# EAGLE board board (EAGLE 7.5.0), part 1 of 2
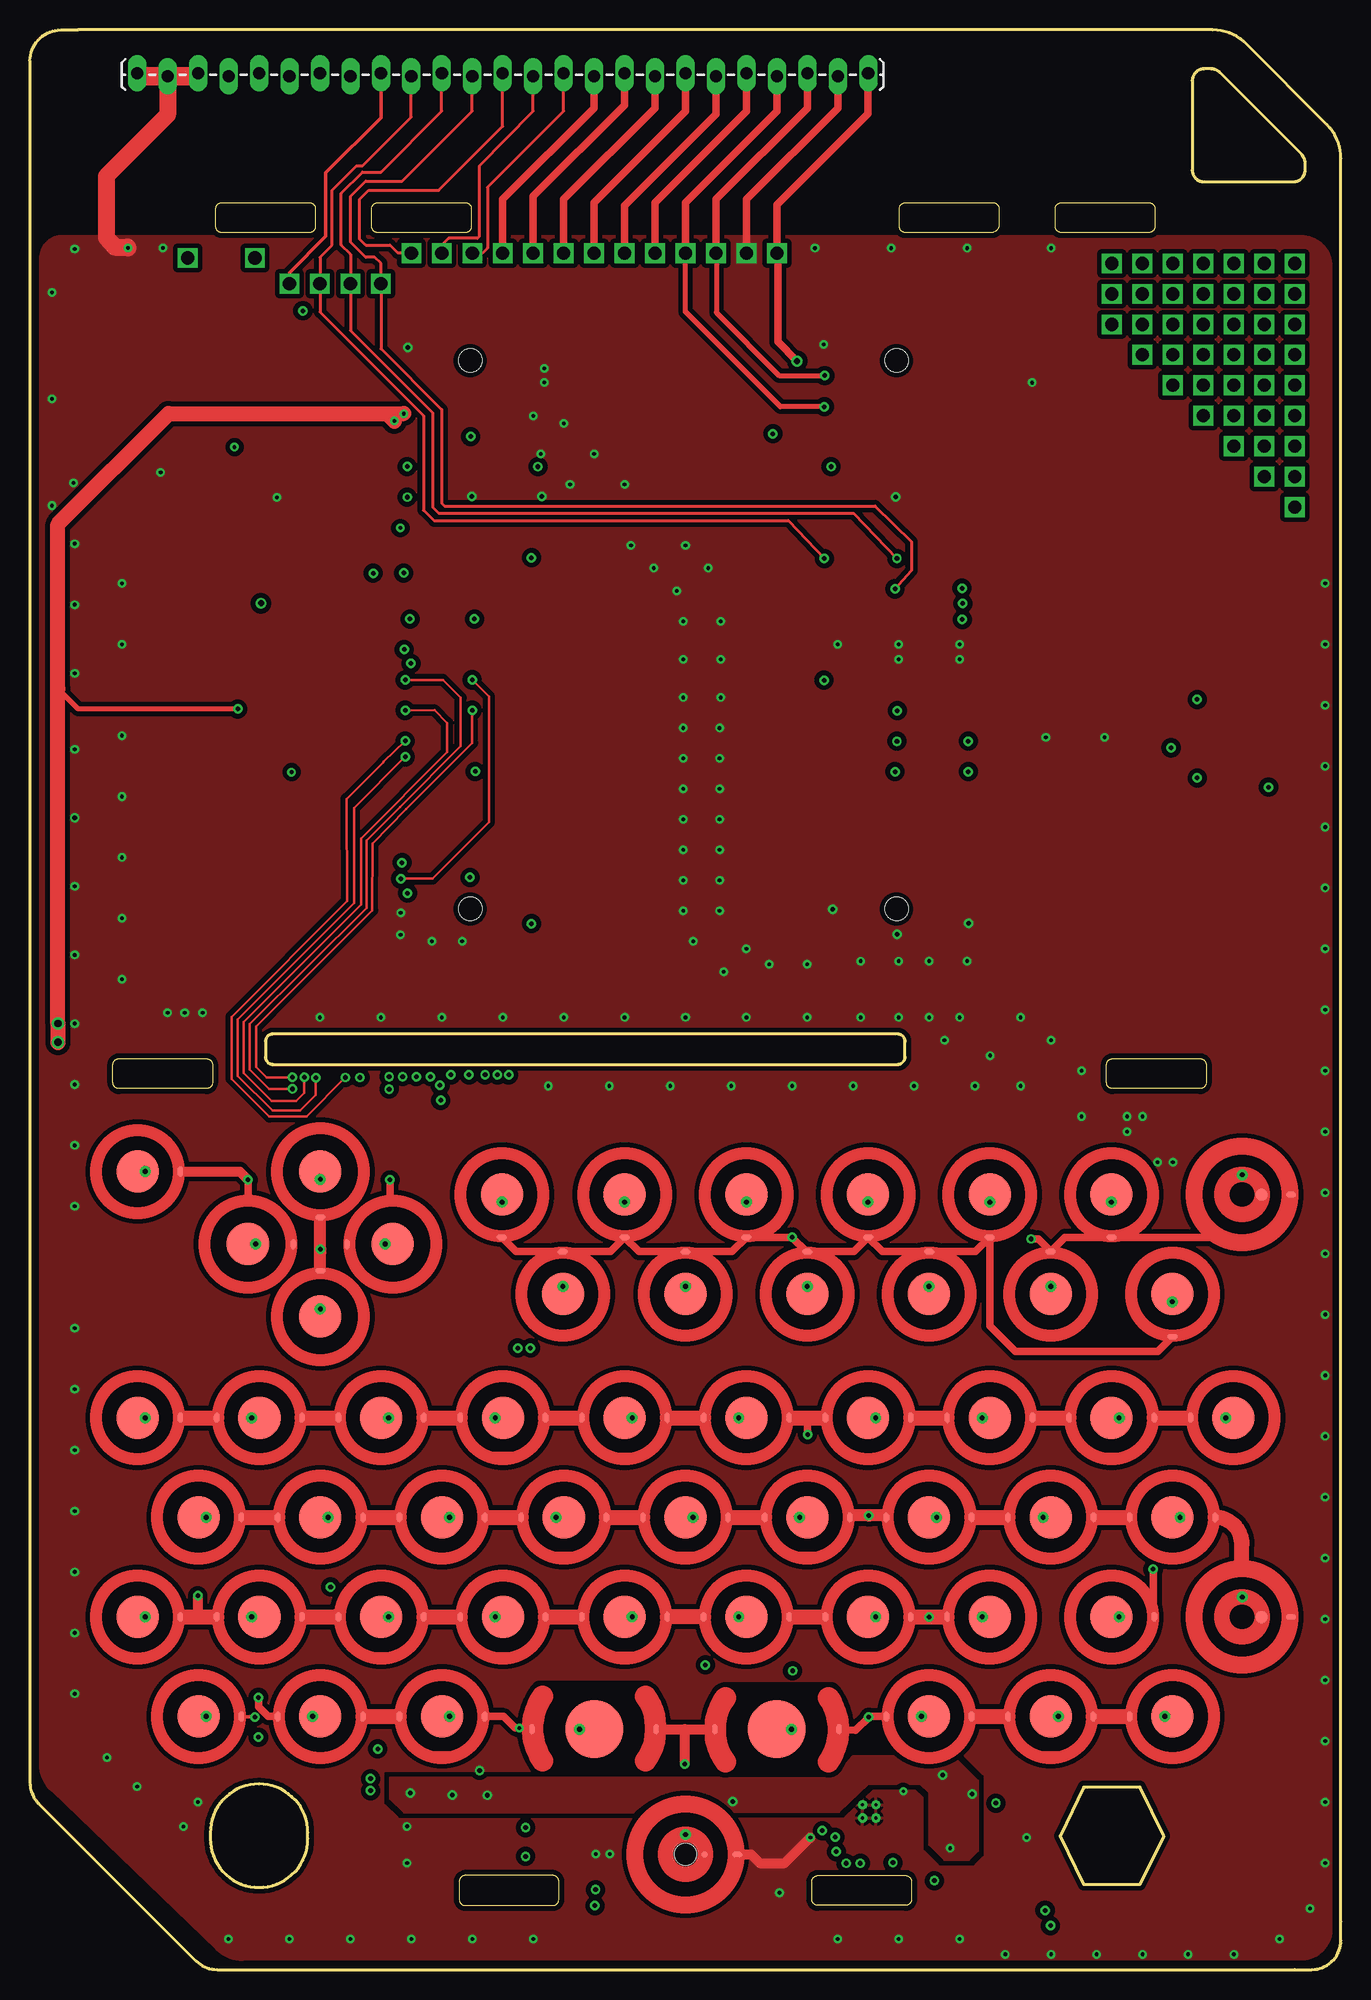
[diagram p0: board, top side]
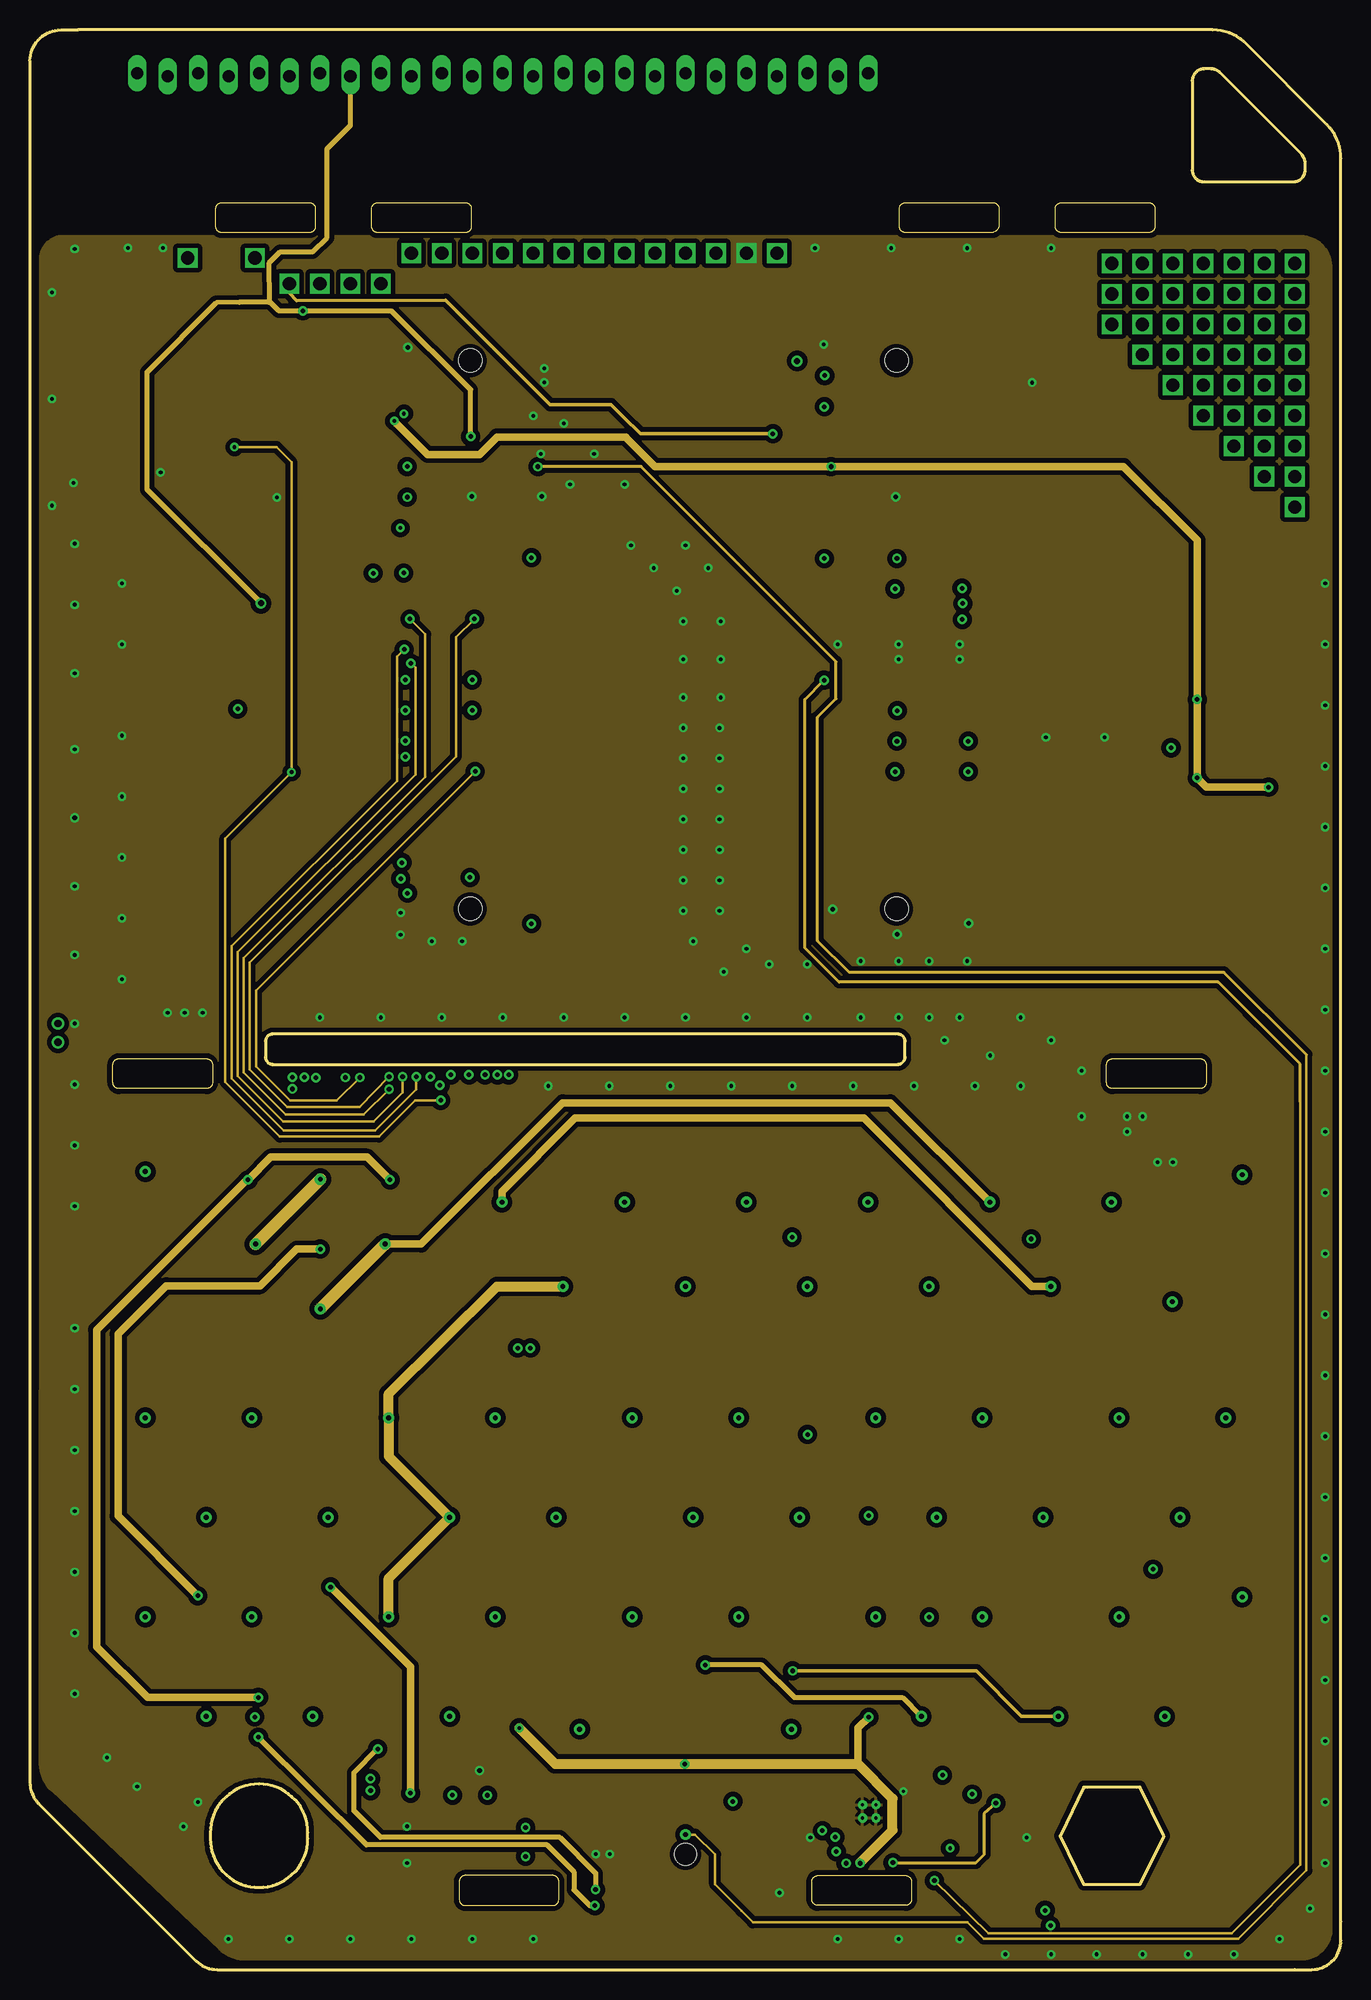
[diagram p1: board, inner layer Route2]
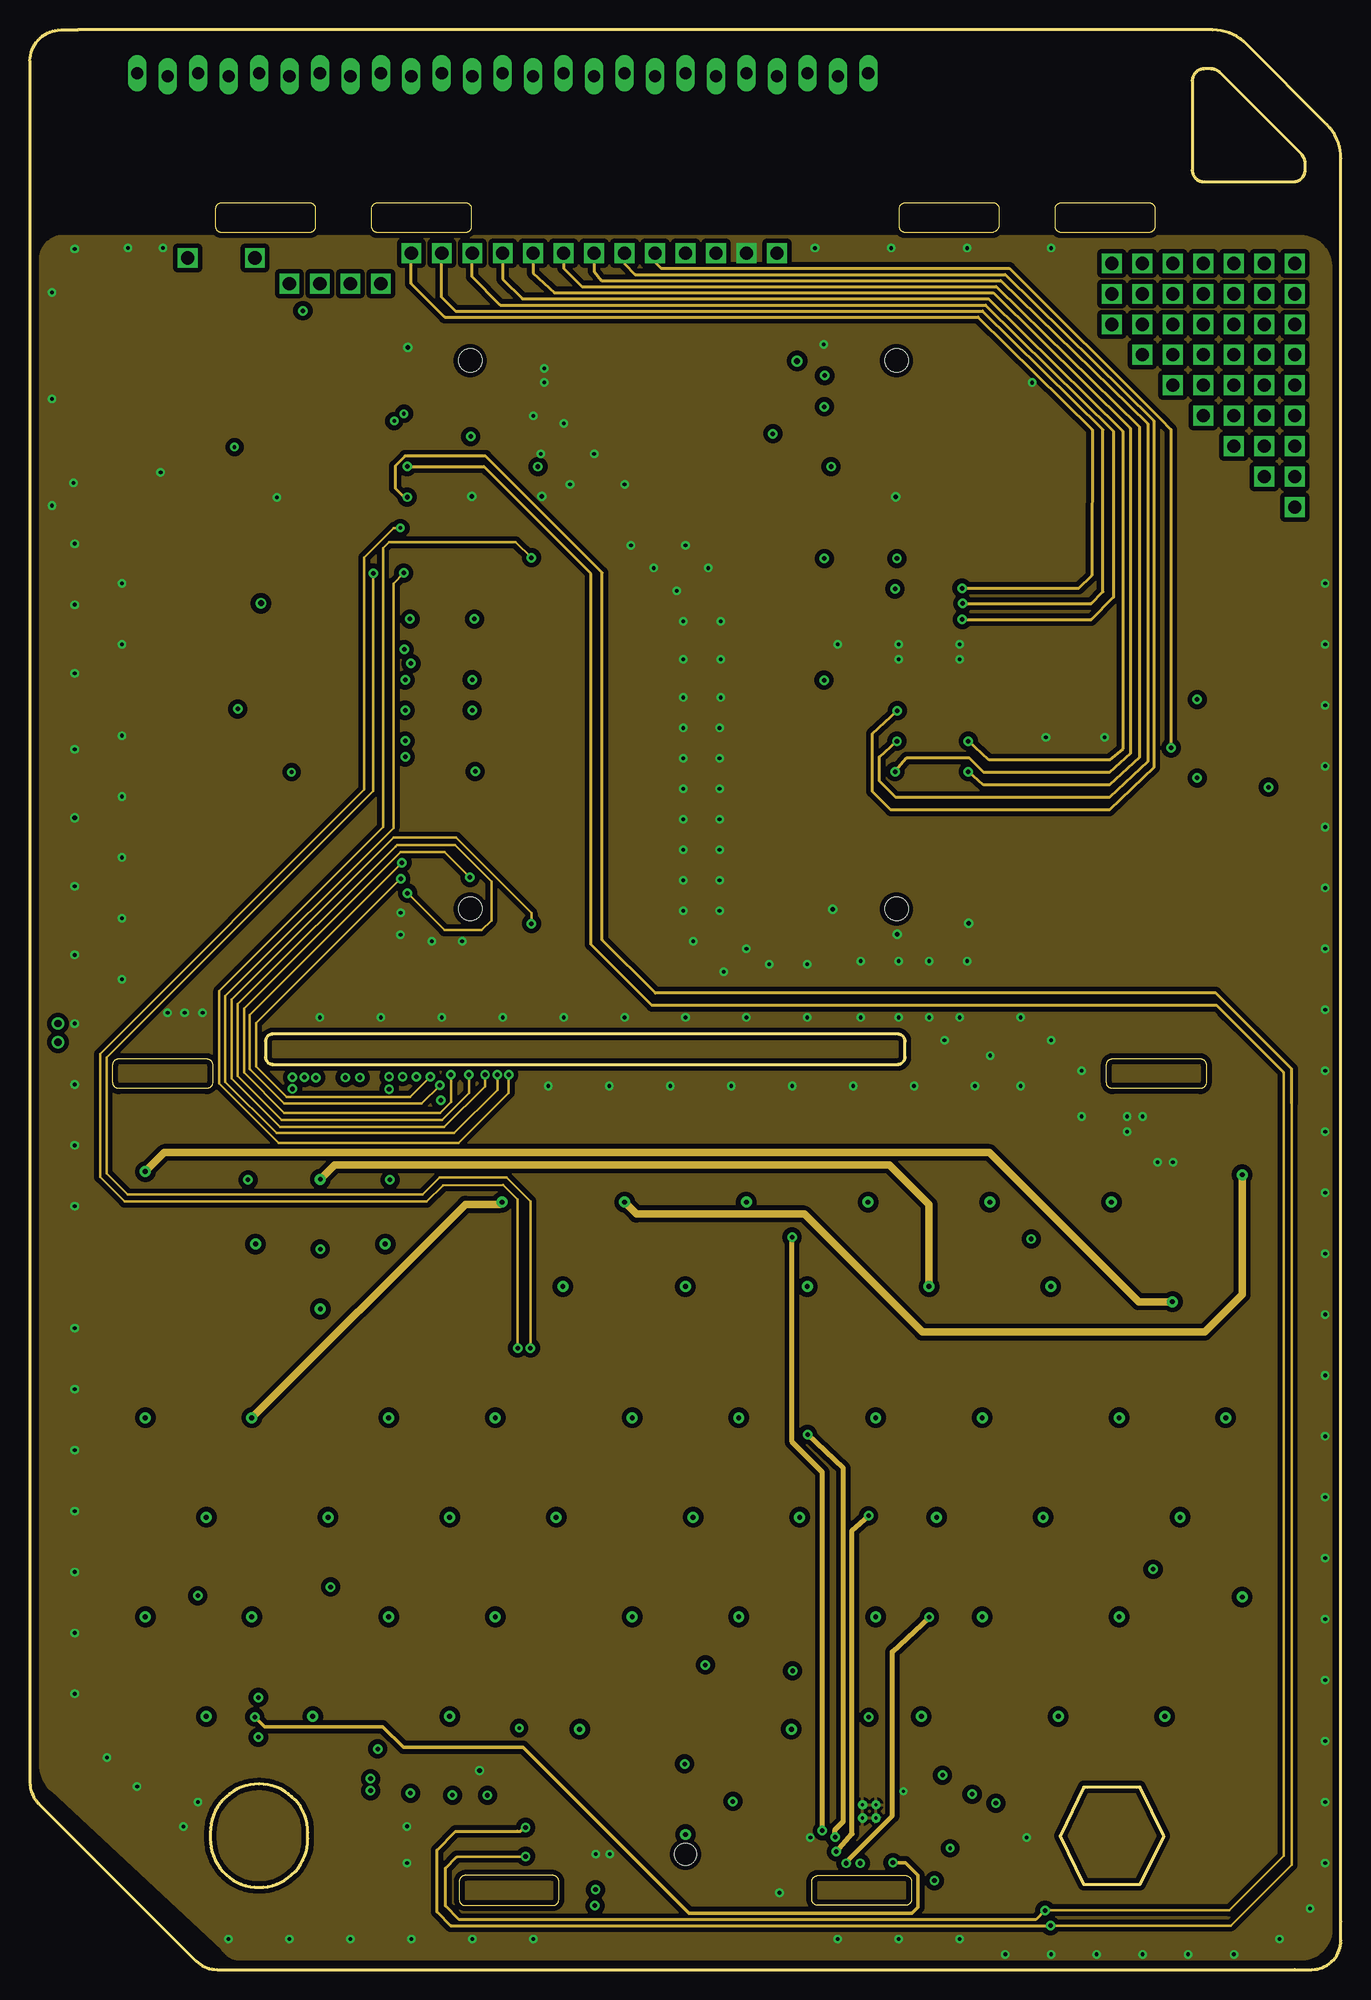
[diagram p2: board, inner layer Route15]
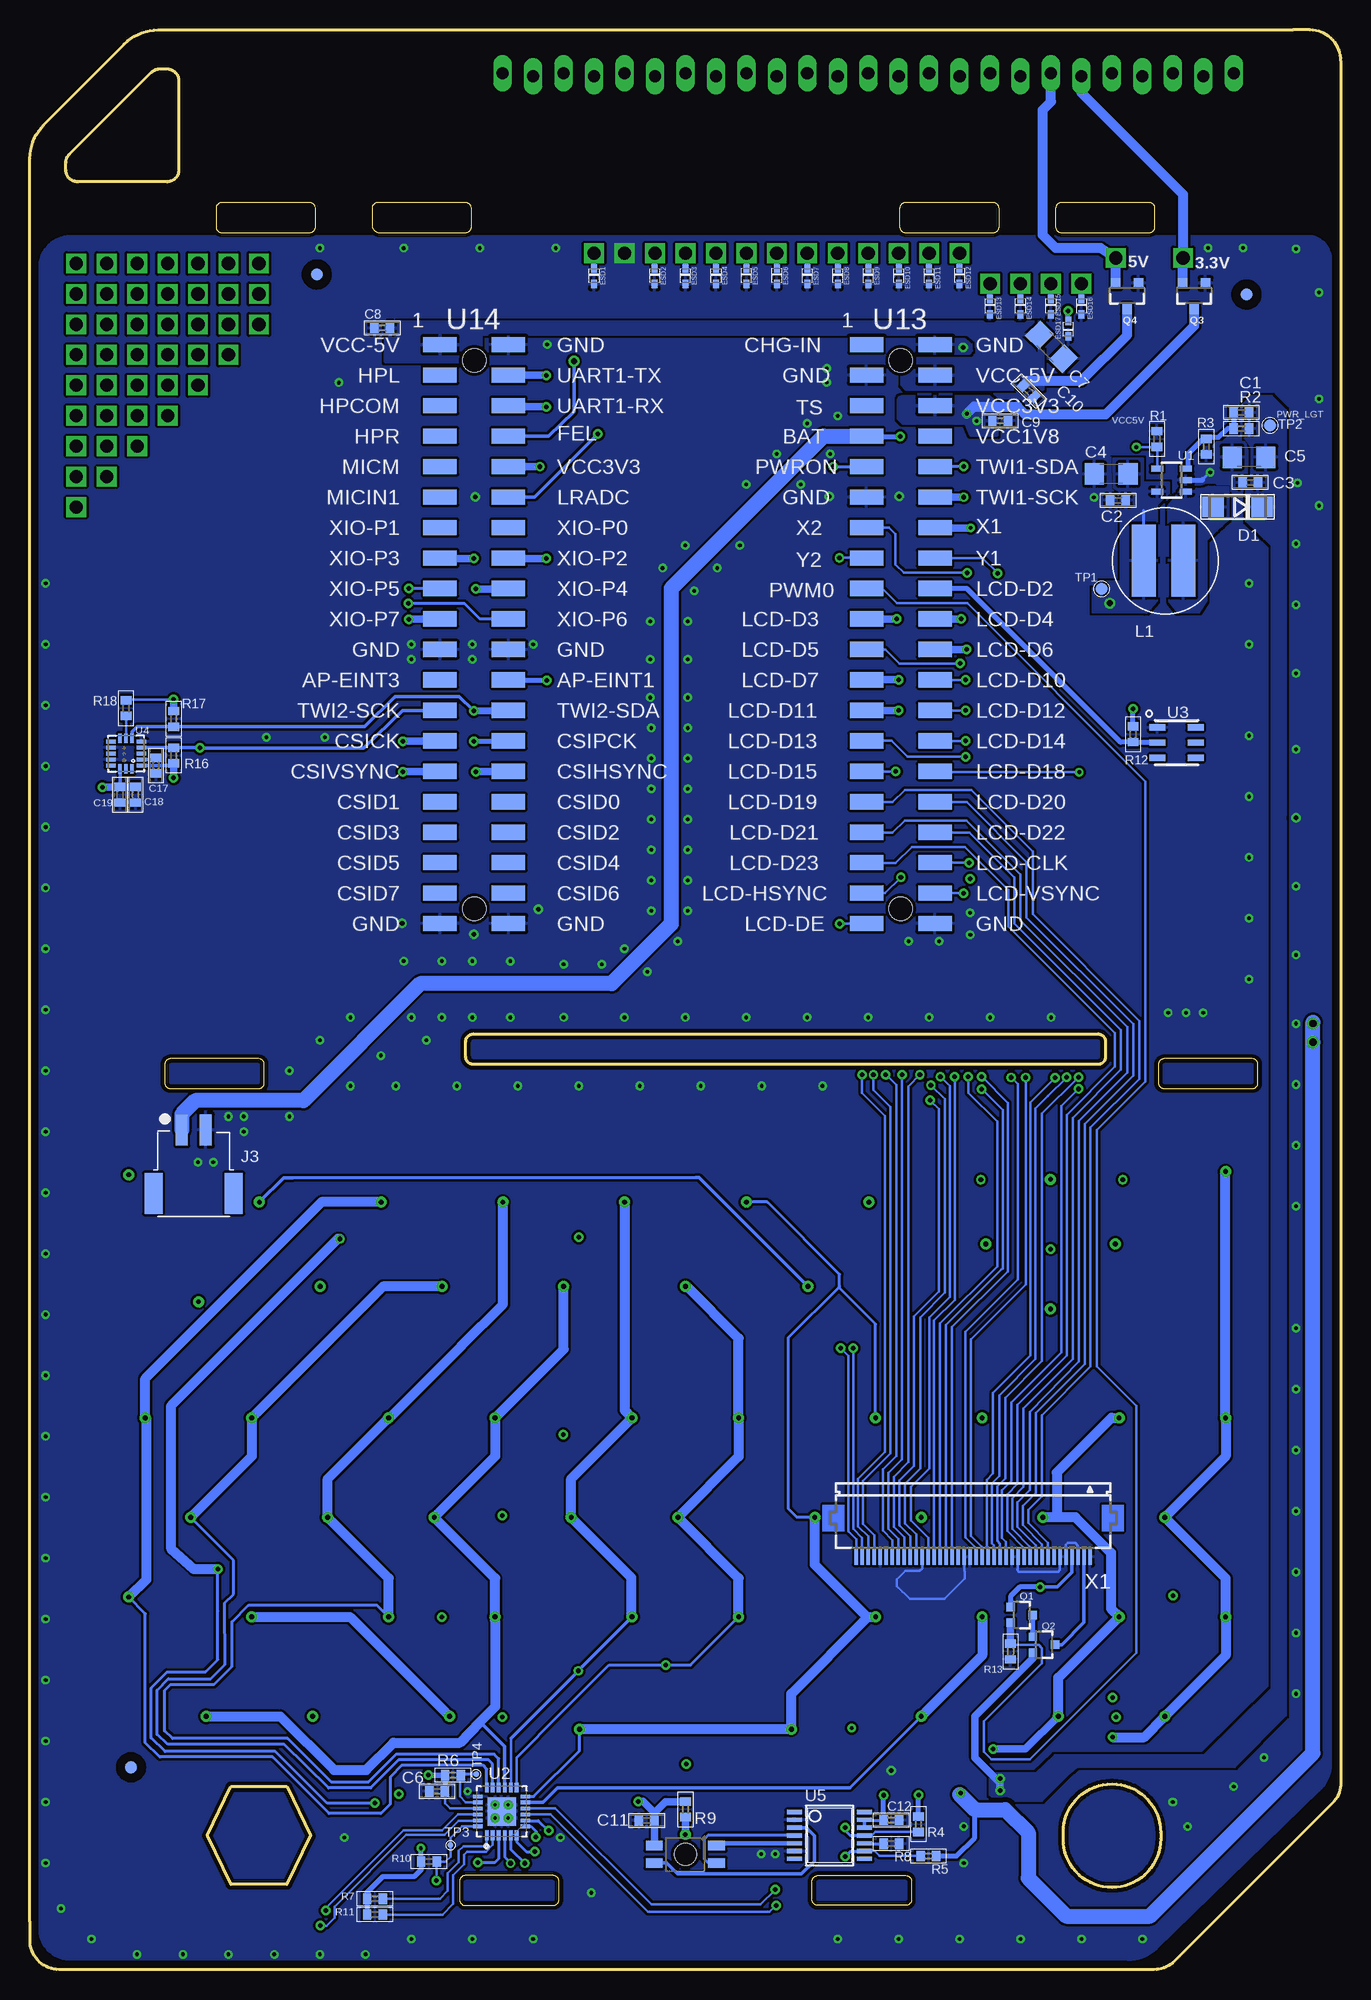
[diagram p3: board, bottom side, seen from below]

Size 109.31 x 161.7 mm. Coordinates in mm from the lower left corner, seen from the top.
Outline: 109.31,4 109.31,150.99 arc45 108.14,153.81 101.45,160.52 arc45 98.62,161.7 4,161.7
Outline: 105.46,0 15.59,0 arc-45 13.88,0.71 0.71,13.88 arc-45 0,15.59 0,159.13 arc-90 2.57,161.7 4.02,161.7
Outline: 105.47,0 106.89,0 arc90 109.31,2.42 109.31,4.02
Outline: 99.2,158.16 arc45 98.49,158.45 97.9,158.45 arc90 96.9,157.45 96.9,150.04 arc90 97.9,149.04 105.32,149.04 arc90 106.32,150.04 106.32,150.62 arc45 106.03,151.33 99.2,158.16
Outline: 23.16,11.41 arc90 19.1,15.48 arc90 15.03,11.41 15.03,10.9 arc90 19.1,6.84 arc90 23.16,10.9 23.16,11.41
Outline: 72.97,77.36 arc90 72.33,78 20.26,78 arc90 19.63,77.36 19.63,76.09 arc90 20.26,75.46 72.33,75.46 arc90 72.97,76.09 72.97,77.36
Outline: 87.87,7.09 92.56,7.09 94.53,11.16 92.56,15.22 87.87,15.22 85.9,11.16 87.87,7.09
Outline: 65.7,7.84 73,7.84 arc-90 73.5,7.34 73.5,5.84 arc-90 73,5.34 65.7,5.34 arc-90 65.2,5.84 65.2,7.34 arc-90 65.7,7.84
Outline: 36.3,5.34 43.6,5.34 arc90 44.1,5.84 44.1,7.34 arc90 43.6,7.84 36.3,7.84 arc90 35.8,7.34 35.8,5.84 arc90 36.3,5.34
Outline: 15.22,75.44 15.22,73.94 arc-90 14.72,73.44 7.42,73.44 arc-90 6.92,73.94 6.92,75.44 arc-90 7.42,75.94 14.72,75.94 arc-90 15.22,75.44
Outline: 90.27,75.94 97.57,75.94 arc-90 98.07,75.44 98.07,73.94 arc-90 97.57,73.44 90.27,73.44 arc-90 89.77,73.94 89.77,75.44 arc-90 90.27,75.94
Outline: 23.8,146.81 23.8,145.31 arc-90 23.3,144.81 16,144.81 arc-90 15.5,145.31 15.5,146.81 arc-90 16,147.31 23.3,147.31 arc-90 23.8,146.81
Outline: 36.8,146.81 36.8,145.31 arc-90 36.3,144.81 29,144.81 arc-90 28.5,145.31 28.5,146.81 arc-90 29,147.31 36.3,147.31 arc-90 36.8,146.81
Outline: 80.8,146.81 80.8,145.45 arc-90 80.16,144.81 73,144.81 arc-90 72.5,145.31 72.5,146.81 arc-90 73,147.31 80.3,147.31 arc-90 80.8,146.81
Outline: 93.8,146.81 93.8,145.31 arc-90 93.3,144.81 86,144.81 arc-90 85.5,145.31 85.5,146.81 arc-90 86,147.31 93.3,147.31 arc-90 93.8,146.81
Copper layers (1*2*15*16): Top 0.035mm / dielectric 0.2mm / Route2 0.035mm / dielectric 0.2mm / Route15 0.035mm / dielectric 0.2mm / Bottom 0.035mm
Design rules "Hampoo *": minimum track width 3mil, minimum drill 8mil, track to track 3mil, track to pad 3mil, pad to pad 3mil, via to via 3mil, smd to smd 3mil, copper to edge 12mil, drill to drill 8mil, minimum pad ring 10mil, minimum via ring 8mil, stop-mask expansion 4mil, vias tented up to drill 24mil, thermal gap 10mil
tRestrict: area 42.5,16.8 to 51.5,23.5; area 58,16.6 to 66.8,23.4

## Footprints (pad centres in the part's own frame; a part is rotated, then mirrored left to right if it is on the bottom)
SNAPDOME_M27220_1PAD = smd 0.406 x 0.813: GND 3.556,0 | smd 3.556 x 3.556: SW@1 0,0 | drill 0.406 pad 0.711: SW@2 0.635,0
SNAPDOME_M27220 = smd 0.406 x 0.813: GND 3.556,0; GND@1 -3.556,0 | smd 3.556 x 3.556: SW 0,0 | drill 0.406 pad 0.711: SW1 0.635,0
SNAPDOME_BL08260 = smd 0.813 x 0.406: GND 4.064,0 | smd 1 x 1: SW 1.6,0 | drill 0.41 pad 0.711: SW1 0,1.651
C0402 = smd 0.7 x 0.9: 1 -0.65,0; 2 0.65,0
C1206 = smd 1.6 x 1.8: 1 -1.4,0; 2 1.4,0
DO-214AC = smd 1.8 x 1.7: A 2.05,0; C -2.05,0
SNAPDOME_E9-TDF-340 = smd 0.406 x 0.813: GND 3.81,0 | smd 3.556 x 3.556: SW 0,0 | drill 0.406 pad 0.711: SW1 0.635,0
SOD523 = smd 0.7 x 0.5: A 0.7,0; C -0.6,0
FIDUCIAL_1MM = smd 1 x 1: 1 0,0
98401-801-40LF = smd 1.27 x 2.79: 1 -24.175,-2.855; 2 -24.175,2.855; 3 -21.635,-2.855; 4 -21.635,2.855; 5 -19.095,-2.855; 6 -19.095,2.855; 7 -16.555,-2.855; 8 -16.555,2.855; 9 -14.015,-2.855; 10 -14.015,2.855; 11 -11.475,-2.855; 12 -11.475,2.855; 13 -8.935,-2.855; 14 -8.935,2.855; 15 -6.395,-2.855; 16 -6.395,2.855; 17 -3.855,-2.855; 18 -3.855,2.855; 19 -1.315,-2.855; 20 -1.315,2.855; 21 1.225,-2.855; 22 1.225,2.855; 23 3.765,-2.855; 24 3.765,2.855; 25 6.305,-2.855; 26 6.305,2.855; 27 8.845,-2.855; 28 8.845,2.855; 29 11.385,-2.855; 30 11.385,2.855; 31 13.925,-2.855; 32 13.925,2.855; 33 16.465,-2.855; 34 16.465,2.855; 35 19.005,-2.855; 36 19.005,2.855; 37 21.545,-2.855; 38 21.545,2.855; 39 24.085,-2.855; 40 24.085,2.855; 41 -24.175,32.705; 42 -24.175,38.415; 43 -21.635,32.705; 44 -21.635,38.415; 45 -19.095,32.705; 46 -19.095,38.415; 47 -16.555,32.705; 48 -16.555,38.415; 49 -14.015,32.705; 50 -14.015,38.415; 51 -11.475,32.705; 52 -11.475,38.415; 53 -8.935,32.705; 54 -8.935,38.415; 55 -6.395,32.705; 56 -6.395,38.415; 57 -3.855,32.705; 58 -3.855,38.415; 59 -1.315,32.705; 60 -1.315,38.415; 61 1.225,32.705; 62 1.225,38.415; 63 3.765,32.705; 64 3.765,38.415; 65 6.305,32.705; 66 6.305,38.415; 67 8.845,32.705; 68 8.845,38.415; 69 11.385,32.705; 70 11.385,38.415; 71 13.925,32.705; 72 13.925,38.415; 73 16.465,32.705; 74 16.465,38.415; 75 19.005,32.705; 76 19.005,38.415; 77 21.545,32.705; 78 21.545,38.415; 79 24.085,32.705; 80 24.085,38.415 | hole 1.95: 22.86,0; -22.86,0; -22.86,35.56; 22.86,35.56
S2B-PH-SM4-TB = smd 2.6 x 1: 1 0,-1; 2 0,1 | smd 3.4 x 1.5: MNT1 5.3,3.35; MNT2 5.3,-3.35
1X20_LOCK_LONGPADS = drill 1.016 long: 1 0,0.127; 2 2.54,-0.127; 3 5.08,0.127; 4 7.62,-0.127; 5 10.16,0.127; 6 12.7,-0.127; 7 15.24,0.127; 8 17.78,-0.127; 9 20.32,0.127; 10 22.86,-0.127; 11 25.4,0.127; 12 27.94,-0.127; 13 30.48,0.127; 14 33.02,-0.127; 15 35.56,0.127; 16 38.1,-0.127; 17 40.64,0.127; 18 43.18,-0.127; 19 45.72,0.127; 20 48.26,-0.127; 21 50.8,0.127; 22 -2.54,-0.127; 23 -5.08,0.127; 24 -7.62,-0.127; 25 -10.16,0.127
SRN6045 = smd 2 x 6: P$1 1.5,0; P$2 -1.8,0
XZMDKCBDDG45S-9 = smd 1.4 x 0.8: BLUE -2.6,-0.725; GREEN 2.6,-0.725; RED 2.6,0.725; VIN -2.6,0.725 | hole 1.8: 0,0
SNAPDOME_100105 = smd 0.813 x 0.406: GND 4.318,0 | smd 0.5 x 0.5: SW 1.6,0 | drill 0.381 pad 0.559: SW1 0,1.651
SOT323 = smd 0.7 x 0.7: 1 -0.65,-0.925; 2 0.65,-0.925; 3 0,0.925
SOT23-3 = smd 0.8 x 0.9: 1 -0.95,-1; 2 0.95,-1; 3 0,1.1
R0402 = smd 0.7 x 0.9: 1 -0.65,0; 2 0.65,0
SNAPDOME_E.22-ONN-230 = smd 0.406 x 0.813: GND 5.18,0; GND@1 -5.18,0 | smd 4.826 x 4.826: SW 0,0 | drill 0.406: SW1 1.206,0
TP_19_5 = smd 1 x 1: 1 0,0
TP_19_5' = smd 0.5 x 0.5: 1 0,0
SOT23-5 = smd 0.5 x 1: 1 -0.95,-1.2; 2 0,-1.2; 3 0.95,-1.2; 4 0.95,1.2; 5 -0.95,1.2
WQFN24 = smd 0.305 x 0.813: 1 1.245,1.981; 2 0.762,1.981; 3 0.254,1.981; 4 -0.254,1.981; 5 -0.762,1.981; 6 -1.245,1.981; 13 -1.245,-1.981; 14 -0.762,-1.981; 15 -0.254,-1.981; 16 0.254,-1.981; 17 0.762,-1.981; 18 1.245,-1.981 | smd 0.813 x 0.305: 7 -1.981,1.245; 8 -1.981,0.762; 9 -1.981,0.254; 10 -1.981,-0.254; 11 -1.981,-0.762; 12 -1.981,-1.245; 19 1.981,-1.245; 20 1.981,-0.762; 21 1.981,-0.254; 22 1.981,0.254; 23 1.981,0.762; 24 1.981,1.245 | smd 2.362 x 2.362: 25 0,0 | drill 0.254 pad 0.406: H1 -0.55,0.55; H2 0.55,0.55; H3 -0.55,-0.55; H4 0.55,-0.55
TSOC6 = smd 0.53 x 1.33: 1 -1.27,-1.6; 2 0,-1.6; 3 1.27,-1.6; 4 1.27,1.6; 5 0,1.6; 6 -1.27,1.6
QFN-16_0.5MM = smd 0.8 x 0.3: 1 -1.275,1; 2 -1.275,0.5; 3 -1.275,0; 4 -1.275,-0.5; 5 -1.275,-1; 9 1.275,-1; 10 1.275,-0.5; 11 1.275,0; 12 1.275,0.5; 13 1.275,1 | smd 0.3 x 0.8: 6 -0.5,-1.275; 7 0,-1.275; 8 0.5,-1.275; 14 0.5,1.275; 15 0,1.275; 16 -0.5,1.275
TSSOP14 = smd 0.36 x 1.26: 1 -1.95,-2.918; 2 -1.3,-2.918; 3 -0.65,-2.918; 4 0,-2.918; 5 0.65,-2.918; 6 1.3,-2.918; 7 1.95,-2.918; 8 1.95,2.918; 9 1.3,2.918; 10 0.65,2.918; 11 0,2.918; 12 -0.65,2.918; 13 -1.3,2.918; 14 -1.95,2.918
FH12-40S-0.5SH = smd 0.3 x 1.3: 1 -9.75,3.25; 2 -9.25,3.25; 3 -8.75,3.25; 4 -8.25,3.25; 5 -7.75,3.25; 6 -7.25,3.25; 7 -6.75,3.25; 8 -6.25,3.25; 9 -5.75,3.25; 10 -5.25,3.25; 11 -4.75,3.25; 12 -4.25,3.25; 13 -3.75,3.25; 14 -3.25,3.25; 15 -2.75,3.25; 16 -2.25,3.25; 17 -1.75,3.25; 18 -1.25,3.25; 19 -0.75,3.25; 20 -0.25,3.25; 21 0.25,3.25; 22 0.75,3.25; 23 1.25,3.25; 24 1.75,3.25; 25 2.25,3.25; 26 2.75,3.25; 27 3.25,3.25; 28 3.75,3.25; 29 4.25,3.25; 30 4.75,3.25; 31 5.25,3.25; 32 5.75,3.25; 33 6.25,3.25; 34 6.75,3.25; 35 7.25,3.25; 36 7.75,3.25; 37 8.25,3.25; 38 8.75,3.25; 39 9.25,3.25; 40 9.75,3.25

## Placement (x,y rotation side)
0  M272201PAD  [SNAPDOME_M27220_1PAD]  80.03,64.61 270 top
1  M272201PAD  [SNAPDOME_M27220_1PAD]  95.26,56.31 270 top
2  M272201PAD  [SNAPDOME_M27220_1PAD]  39.36,64.61 270 top
3  M272201PAD  [SNAPDOME_M27220_1PAD]  44.43,56.31 90 top
4  M272201PAD  [SNAPDOME_M27220_1PAD]  49.58,64.61 270 top
5  M272201PAD  [SNAPDOME_M27220_1PAD]  54.65,56.31 90 top
6  M272201PAD  [SNAPDOME_M27220_1PAD]  59.73,64.61 270 top
7  M272201PAD  [SNAPDOME_M27220_1PAD]  64.81,56.31 90 top
8  M272201PAD  [SNAPDOME_M27220_1PAD]  69.88,64.61 270 top
9  M272201PAD  [SNAPDOME_M27220_1PAD]  74.96,56.31 90 top
'  M272201PAD  [SNAPDOME_M27220_1PAD]  90.18,29.4 0 top
+  M272201PAD  [SNAPDOME_M27220_1PAD]  90.18,64.61 270 top
-  M272201PAD  [SNAPDOME_M27220_1PAD]  85.11,56.31 90 top
?/  M27220  [SNAPDOME_M27220]  85.1,21.1 0 top
A  M272201PAD  [SNAPDOME_M27220_1PAD]  14.06,37.7 0 top
ALT  M27220  [SNAPDOME_M27220]  34.36,21.1 0 top
B  M27220  [SNAPDOME_M27220]  59.73,29.4 180 top
BKSPC  BL08260  [SNAPDOME_BL08260]  101.07,64.61 0 top
C  M27220  [SNAPDOME_M27220]  39.43,29.4 180 top
C1  220pF  [C0402]  8.3,129.81 180 bottom
C2  100nF  [C0402]  18.59,122.5 180 bottom
C3  100nF  [C0402]  7.56,123.97 180 bottom
C4  22uF  [C1206]  19.15,124.68 180 bottom
C5  22uF  [C1206]  7.67,126.08 180 bottom
C6  100nF  [C0402]  75.36,14.86 180 bottom
C7  22uF  [C1206]  24.14,135.29 315 bottom
C8  100nF  [C0402]  79.94,136.85 180 bottom
C9  100nF  [C0402]  28.41,129.12 0 bottom
C10  100nF  [C0402]  26.03,131.58 315 bottom
C11  1uF  [C0402]  57.89,12.42 0 bottom
C12  1uF  [C0402]  37.49,12.45 180 bottom
C17  100nF  [C0402]  98.8,100.38 270 bottom
C18  4.7uF  [C0402]  100.5,97.94 270 bottom
C19  100nF  [C0402]  101.8,97.94 270 bottom
CTRL  M272201PAD  [SNAPDOME_M27220_1PAD]  14.06,21.1 0 top
D  M27220  [SNAPDOME_M27220]  34.36,37.7 0 top
D1  B240A  [DO-214AC]  8.62,121.93 180 bottom
DRILEGEND  [DRILEGEND]  145.89,56.14 0 top  (outside the outline)
DWN  E9-TDF-340  [SNAPDOME_E9-TDF-340]  24.21,54.44 90 top
E  M27220  [SNAPDOME_M27220]  29.28,46 0 top
ENTER  BL08260  [SNAPDOME_BL08260]  101.07,29.4 0 top
ESC  M272201PAD  [SNAPDOME_M27220_1PAD]  8.98,66.52 0 top
ESD1  ESD5Z2.5T1G  [SOD523]  62.28,141.22 270 bottom
ESD2  ESD5Z2.5T1G  [SOD523]  57.23,141.22 270 bottom
ESD3  ESD5Z2.5T1G  [SOD523]  54.66,141.22 270 bottom
ESD4  ESD5Z2.5T1G  [SOD523]  52.11,141.22 270 bottom
ESD5  ESD5Z2.5T1G  [SOD523]  49.57,141.23 270 bottom
ESD6  ESD5Z2.5T1G  [SOD523]  47.04,141.23 270 bottom
ESD7  ESD5Z2.5T1G  [SOD523]  44.5,141.22 270 bottom
ESD8  ESD5Z2.5T1G  [SOD523]  41.96,141.22 270 bottom
ESD9  ESD5Z2.5T1G  [SOD523]  39.42,141.22 270 bottom
ESD10  ESD5Z2.5T1G  [SOD523]  36.87,141.23 270 bottom
ESD11  ESD5Z2.5T1G  [SOD523]  34.35,141.23 270 bottom
ESD12  ESD5Z2.5T1G  [SOD523]  31.8,141.23 270 bottom
ESD13  ESD5Z2.5T1G  [SOD523]  29.25,138.69 270 bottom
ESD14  ESD5Z2.5T1G  [SOD523]  26.72,138.69 270 bottom
ESD15  ESD5Z2.5T1G  [SOD523]  24.19,138.69 270 bottom
ESD16  ESD5Z2.5T1G  [SOD523]  21.64,138.69 270 bottom
ESD17  ESD5Z2.5T1G  [SOD523]  22.74,136.76 90 bottom
F  M27220  [SNAPDOME_M27220]  44.51,37.7 180 top
FD2  FIDUCIAL  [FIDUCIAL_1MM]  85.39,141.32 0 bottom
FD3  FIDUCIAL  [FIDUCIAL_1MM]  100.88,16.86 0 bottom
FD4  FIDUCIAL  [FIDUCIAL_1MM]  7.87,139.64 0 bottom
FN  M27220  [SNAPDOME_M27220]  24.21,21.1 180 top
G  M27220  [SNAPDOME_M27220]  54.65,37.7 0 top
H  M27220  [SNAPDOME_M27220]  64.81,37.7 180 top
I  M27220  [SNAPDOME_M27220]  80.03,46 180 top
J  M27220  [SNAPDOME_M27220]  74.96,37.7 0 top
J1  98401-801-40LF  [98401-801-40LF]  72.26,111.28 270 bottom
J3  S2B-PH-SM4-TB  [S2B-PH-SM4-TB]  95.66,70 270 bottom
JP1  NC  [1X20_LOCK_LONGPADS]  19.1,157.98 0 top
K  M27220  [SNAPDOME_M27220]  85.11,37.7 180 top
L  M27220  [SNAPDOME_M27220]  95.26,37.7 0 top
L1  SRN6045-100M  [SRN6045]  14.65,117.44 0 bottom
LED1  XZMDKCBDDG45S-9  [XZMDKCBDDG45S-9]  54.66,9.6 0 bottom
LEFT  E9-TDF-340  [SNAPDOME_E9-TDF-340]  18.17,60.48 0 top
M  M272201PAD  [SNAPDOME_M27220_1PAD]  80.03,29.4 180 top
N  M27220  [SNAPDOME_M27220]  69.88,29.4 0 top
O  M27220  [SNAPDOME_M27220]  90.18,46 0 top
P  M272201PAD  [SNAPDOME_M27220_1PAD]  100.33,46 180 top
PWR  100105  [SNAPDOME_100105]  54.66,9.6 0 top
Q  M272201PAD  [SNAPDOME_M27220_1PAD]  8.98,46 0 top
Q1  NPN-DTC114YUA  [SOT323]  26.62,29.56 270 bottom
Q2  PNP-DTA114YUA  [SOT323]  24.76,27.08 270 bottom
Q3  MOSFET-PCHANNEL  [SOT23-3]  12.24,139.57 180 bottom
Q4  MOSFET-PCHANNEL  [SOT23-3]  17.83,139.57 180 bottom
R  M27220  [SNAPDOME_M27220]  39.43,46 180 top
R1  100K  [R0402]  15.35,127.6 90 bottom
R2  140K  [R0402]  8.3,128.47 180 bottom
R3  11.5K  [R0402]  11.22,126.97 270 bottom
R4  4.7K  [R0402]  35.23,12.11 90 bottom
R5  4.7K  [R0402]  34.4,9.46 0 bottom
R6  4.7K  [R0402]  74.04,16.2 180 bottom
R7  10K  [R0402]  80.54,5.9 180 bottom
R8  62K  [R0402]  37.49,10.49 180 bottom
R9  100K  [R0402]  54.65,13.35 90 bottom
R10  4.7K  [R0402]  76.04,9 0 bottom
R11  10K  [R0402]  80.54,4.58 180 bottom
R12  4.7K  [R0402]  17.33,102.98 90 bottom
R13  1.2K  [R0402]  27.55,26.51 90 bottom
R16  4.7K  [R0402]  97.33,101.22 270 bottom
R17  4.7K  [R0402]  97.33,104.27 90 bottom
R18  4.7K  [R0402]  101.29,105.16 90 bottom
RIGHT  E9-TDF-340  [SNAPDOME_E9-TDF-340]  30.25,60.48 180 top
S  M27220  [SNAPDOME_M27220]  24.21,37.7 0 top
SHFT  M272201PAD  [SNAPDOME_M27220_1PAD]  95.25,21.1 180 top
SHIFT  M272201PAD  [SNAPDOME_M27220_1PAD]  8.98,29.4 0 top
SPACEL  E.22-ONN-230  [SNAPDOME_E.22-ONN-230]  47.04,20.04 180 top
SPACER  E.22-ONN-230  [SNAPDOME_E.22-ONN-230]  62.28,20.04 0 top
T  M27220  [SNAPDOME_M27220]  49.58,46 0 top
TAB  M27220  [SNAPDOME_M27220]  74.95,21.1 180 top
TP1  N.C  [TP_19_5]  19.96,115.1 0 bottom
TP2  N.C  [TP_19_5]  5.91,128.73 0 bottom
TP3  N.C  [TP_19_5']  74.24,10.36 0 bottom
TP4  N.C  [TP_19_5']  72.11,16.28 0 bottom
U  M27220  [SNAPDOME_M27220]  69.88,46 0 top
U1  LMR62421  [SOT23-5]  14.12,124.17 90 bottom
U2  TCA8418RTWR  [WQFN24]  69.98,13.18 180 bottom
U3  DS2431P  [TSOC6]  13.71,102.29 270 bottom
U4  MMA8452Q  [QFN-16_0.5MM]  101.29,101.37 180 bottom
U5  NCP5623DTBR2G  [TSSOP14]  42.64,11.18 270 bottom
UP  E9-TDF-340  [SNAPDOME_E9-TDF-340]  24.21,66.52 270 top
V  M27220  [SNAPDOME_M27220]  49.58,29.4 0 top
W  M27220  [SNAPDOME_M27220]  19.13,46 180 top
X  M27220  [SNAPDOME_M27220]  29.28,29.4 0 top
X1  FH12-40S-0.5SH  [FH12-40S-0.5SH]  30.67,37.64 180 bottom
Y  M27220  [SNAPDOME_M27220]  59.73,46 180 top
Z  M27220  [SNAPDOME_M27220]  19.13,29.4 180 top

## Library data of the parts
0 1-9 ' + - ?/ A ALT B C CTRL D DWN E ESC ESD1-ESD17 F FN G H I J JP1 K L LED1 LEFT M N O P Q R RIGHT S SHFT SHIFT SPACEL SPACER T TAB U U4 UP V W X Y Z = PocketCHIP-Components-v0.71
BKSPC ENTER PWR U5 = PocketCHIP-Components-v0.7
C1 = Keyboard v0_5; DESCRIPTION: CAP SMD 220pF 50V 5% 0402; FOOTPRINT: C0402; LINK: http://www.digikey.com/product-detail/en/C0402C221J5GACTU/399-7776-1-ND/3471499; MFG: DIGIIKEY; MFG_PN: 399-7776-1-ND; PART_TYPE: C0402; PRICE: 0.01; TOLLERANCE: 5%; VENDOR: KEMET; VENDOR_PART_NUMBER: C0402C221J5GACTU
C2 C3 C6 C8-C10 = Keyboard v0_5; DESCRIPTION: CAP CER SMD 100nF 25V 10% 0402; FOOTPRINT: C0402; LINK: http://www.digikey.co.il/product-detail/en/C1005X5R1E104K050BC/445-4964-1-ND/2093578; MFG: DIGIIKEY; MFG_PN: 445-4964-1-ND; PART_TYPE: C0402; PRICE: 0.01; TOLLERANCE: 10%; VENDOR: TDK; VENDOR_PART_NUMBER: C1005X5R1E104K050BC
C4 C5 C7 = Keyboard v0_5; DESCRIPTION: CAP ceramic smd 20% 35V 1206; FOOTPRINT: C1206; LINK: http://www.digikey.com/product-detail/en/C3216X5R1V226M160AC/445-8045-1-ND/2792165; MFG: DIGIKEY; MFG_PN: 445-8045-1-ND; PART_TYPE: C1206; PRICE: 0.01; TOLLERANCE: 20%; VENDOR: TDK; VENDOR_PART_NUMBER: C3216X5R1V226M160AC
C11 C12 = Keyboard_v0_7; DESCRIPTION: CAP CER SMD 100nF 25V 10% 0402; FOOTPRINT: C0402; LINK: http://www.digikey.co.il/product-detail/en/C1005X5R1E104K050BC/445-4964-1-ND/2093578; MFG: DIGIIKEY; MFG_PN: 445-4964-1-ND; PART_TYPE: C0402; PRICE: 0.01; TOLLERANCE: 10%; VENDOR: TDK; VENDOR_PART_NUMBER: C1005X5R1E104K050BC
C17-C19 = PocketCHIP-Components-v0.71; DESCRIPTION: CAP CER SMD 100nF 25V 10% 0402; FOOTPRINT: C0402; LINK: http://www.digikey.co.il/product-detail/en/C1005X5R1E104K050BC/445-4964-1-ND/2093578; MFG: DIGIIKEY; MFG_PN: 445-4964-1-ND; PART_TYPE: C0402; PRICE: 0.01; TOLLERANCE: 10%; VENDOR: TDK; VENDOR_PART_NUMBER: C1005X5R1E104K050BC
D1 = Keyboard v0_5; DESCRIPTION: DIODE SMD General Purpose 400V 1A 1.4W RoHS DO-214AC; FOOTPRINT: DO-214AC; LINK: http://www.digikey.com/product-detail/en/B240A-13-F/B240A-FDICT-ND/717810; MFG: DIGIKEY; MFG_PN: B240A-FDICT-ND; PART_TYPE: DIODE; PRICE: 0.11; VENDOR: DIODES; VENDOR_PART_NUMBER: B240A-13-F
DRILEGEND = drilegend
FD2-FD4 = Keyboard v0.3; ASSEMBLE: N.C; DESCRIPTION: Fiducial; PART_NUMBER: RB00000042
J1 = PocketCHIP-Components-v0.73
J3 = Keyboard v0_5; DESCRIPTION: 2 pin con, 2MM RA, SMD; FOOTPRINT: S2B-PH-SM4-TB; LINK: http://www.digikey.com/product-detail/en/S2B-PH-SM4-TB(LF)(SN)/455-1749-1-ND/926846; MFG: DIGIKEY; MFG_PN: 455-1749-1-ND; PART_TYPE: CON; PRICE: 0.26; VENDOR: JST; VENDOR_PART_NUMBER: S2B-PH-SM4-TB(LF)(SN)
L1 = Keyboard v0_5; DESCRIPTION: power inductor 10uH 2.5A 58.6 mohm; FOOTPRINT: SRN6045; LINK: http://www.digikey.com/product-detail/en/SRN6045-100M/SRN6045-100MTR-ND/2756120; MFG: DIGIKEY; MFG_PN: SRN6045-100MTR-ND; PART_TYPE: IND; PRICE: 0.15; TOLLERANCE: ±20%; VENDOR: BOURNS; VENDOR_PART_NUMBER: SRN6045-100M
Q1 Q2 = PocketCHIP-Components-v0.72
Q3 Q4 = PocketCHIP-Components-v0.72; PROD_ID: TRANS-08285
R1 R9 = Keyboard v0_5; DESCRIPTION: RES THICK FILM SMD 100K Ohm 1/16W 5% RoHS 0402; FOOTPRINT: R0402; LINK: http://www.digikey.co.il/product-detail/en/ERJ-2GEJ104X/P100KJCT-ND/146730; MFG: DIGIKEY; MFG_PN: P100KJCT-ND; PART_TYPE: R0402; PRICE: 0.01; TOLLERANCE: 5%; VENDOR: PANASONIC; VENDOR_PART_NUMBER: ERJ-2GEJ104X
R2 = Keyboard v0_5; DESCRIPTION: RES SMD 140K 1/16W 1% 0402; FOOTPRINT: R0402; LINK: http://www.digikey.com/product-detail/en/RC0402FR-07140KL/YAG2978CT-ND/5281843; MFG: DIGIKEY; MFG_PN: YAG2978CT-ND; PART_TYPE: R0402; PRICE: 0.01; TOLLERANCE: 1%; VENDOR: YAGEO; VENDOR_PART_NUMBER: RC0402FR-07140KL
R3 = Keyboard v0_5; DESCRIPTION: RES SMD 11.5K 1/16W 1% 0402; FOOTPRINT: R0402; LINK: http://www.digikey.com/product-detail/en/RC0402FR-0711K5L/311-11.5KLRCT-ND/729477; MFG: DIGIKEY; MFG_PN: 311-11.5KLRCT-ND; PART_TYPE: R0402; PRICE: 0.01; TOLLERANCE: 1%; VENDOR: YAGEO; VENDOR_PART_NUMBER: RC0402FR-0711K5L
R4 R5 R7 R11 R12 = Keyboard v0_5; DESCRIPTION: RES SMD 4.7K Ohm 1/16W 5% oHS 0402; FOOTPRINT: R0402; LINK: http://search.digikey.com/us/en/products/ERJ-2GEJ472X/P4.7KJCT-ND/147025; MFG: DIGIKEY; MFG_PN: P4.7KJCT-ND; PART_TYPE: R0402; PRICE: 0.01; TOLLERANCE: 5%; VENDOR: PANASONIC; VENDOR_PART_NUMBER: ERJ-2GEJ472X
R6 R10 = Keyboard v0_5; DESCRIPTION: RES SMD 1K Ohm 1/16W 5% 0402; FOOTPRINT: R0402; LINK: http://search.digikey.com/us/en/products/ERJ-2GEJ102X/P1.0KJCT-ND/146897; MFG: DIGIKEY; MFG_PN: P1.0KJCT-ND; PART_TYPE: R0402; PRICE: 0.01; TOLLERANCE: 5%; VALUE: 1K; VENDOR: PANASONIC; VENDOR_PART_NUMBER: ERJ-2GEJ102X
R8 = Keyboard_v0_7; DESCRIPTION: RES SMD 1K Ohm 1/16W 5% 0402; FOOTPRINT: R0402; LINK: http://search.digikey.com/us/en/products/ERJ-2GEJ102X/P1.0KJCT-ND/146897; MFG: DIGIKEY; MFG_PN: P1.0KJCT-ND; PART_TYPE: R0402; PRICE: 0.01; TOLLERANCE: 5%; VENDOR: PANASONIC; VENDOR_PART_NUMBER: ERJ-2GEJ102X
R13 = PocketCHIP-Components-v0.72; DESCRIPTION: RES SMD 1K Ohm 1/16W 5% 0402; FOOTPRINT: R0402; LINK: http://search.digikey.com/us/en/products/ERJ-2GEJ102X/P1.0KJCT-ND/146897; MFG: DIGIKEY; MFG_PN: P1.0KJCT-ND; PART_TYPE: R0402; PRICE: 0.01; TOLLERANCE: 5%; VENDOR: PANASONIC; VENDOR_PART_NUMBER: ERJ-2GEJ102X
R16-R18 = PocketCHIP-Components-v0.71; DESCRIPTION: RES SMD 4.7K Ohm 1/16W 5% oHS 0402; FOOTPRINT: R0402; LINK: http://search.digikey.com/us/en/products/ERJ-2GEJ472X/P4.7KJCT-ND/147025; MFG: DIGIKEY; MFG_PN: P4.7KJCT-ND; PART_TYPE: R0402; PRICE: 0.01; TOLLERANCE: 5%; VENDOR: PANASONIC; VENDOR_PART_NUMBER: ERJ-2GEJ472X
TP1 TP2 = PocketCHIP-Components-v0.71; ASSEMBLE: N.C; DESCRIPTION: test point smd 0.5mm; FOOTPRINT: TP_19_5; PART_NUMBER: RB00000140; PART_TYPE: TEST POINT; PRICE: 0
TP3 TP4 = Keyboard v0.3; ASSEMBLE: N.C; DESCRIPTION: test point smd 0.5mm; FOOTPRINT: TP_19_5; PART_NUMBER: RB00000140; PART_TYPE: TEST POINT; PRICE: 0
U1 = PocketCHIP-Components-v0.7; DESCRIPTION: dc/dc step up, 2.1A, 1.6mhz, SOT-23-5; FOOTPRINT: SOT23-5; LINK: http://www.digikey.com/product-detail/en/LMR62421XMFE%2FNOPB/LMR62421XMFE%2FNOPBCT-ND/2777085; MFG: DIGIKEY; MFG_PN: LMR62421XMFE/NOPBCT-ND; PART_TYPE: IC; PRICE: 0.8; VENDOR: TEXAS INSTRUMENTS; VENDOR_PART_NUMBER: LMR62421XMFE/NOPB
U2 = Keyboard v0.3; DESCRIPTION: Keypad/IO I2C expander, 8 rows 10 columns; FOOTPRINT: WQFN24; LINK: http://www.digikey.com/product-detail/en/TCA8418RTWR/296-25223-1-ND/2172845; MFG: DIGIKEY; MFG_PN: 296-25223-1-ND; PART_TYPE: IC; PRICE: 1.4; VENDOR: TI; VENDOR_PART_NUMBER: TCA8418RTWR
U3 = Keyboard v0_5; DESCRIPTION: IC, 1024-Bit, 1-Wire EEPROM, TSOC6; FOOTPRINT: TSOC6; LINK: http://www.digikey.com/product-detail/en/DS2431P%2BT%26R/DS2431P%2BT%26RCT-ND/3647900; MFG: DIGIKEY; MFG_PN: DS2431P+T&RCT-ND; PART_TYPE: IC; PRICE: 0.98; VENDOR: MAXIM; VENDOR_PART_NUMBER: DS2431P+T&R
X1 = Keyboard v0_5; DESCRIPTION: CON ffc smd, bottom contact 40pos, 0.50mm R/A; FOOTPRINT: FH12-40S-0.5SH; LINK: http://www.digikey.com/product-detail/en/FH12-40S-0.5SH(55)/HFJ140CT-ND/1110388; MFG: DIGIKEY; MFG_PN: HFJ140CT-ND; VENDOR: HIROSE; VENDOR_PART_NUMBER: FH12-40S-0.5SH(55)

## Nets
1WIRE: J1.58 R12.1 U3.2
3V3_SAFE: JP1.2 Q3.2
5V_SAFE: JP1.3 Q4.2
ADC: ESD16.C J1.12 JP1.5
COL-0: 1.SW@1 1.SW@2 A.SW@1 A.SW@2 CTRL.SW@1 CTRL.SW@2 ESC.SW@1 ESC.SW@2 Q.SW@1 Q.SW@2 SHIFT.SW@1 SHIFT.SW@2 U2.9
COL-1: 2.SW@1 2.SW@2 -.SW@1 -.SW@2 FN.SW FN.SW1 S.SW S.SW1 U2.10 W.SW W.SW1 Z.SW Z.SW1
COL-2: 3.SW@1 3.SW@2 +.SW@1 +.SW@2 ALT.SW ALT.SW1 D.SW D.SW1 E.SW E.SW1 U2.11 X.SW X.SW1
COL-3: 4.SW@1 4.SW@2 BKSPC.SW BKSPC.SW1 C.SW C.SW1 F.SW F.SW1 R.SW R.SW1 SPACEL.SW SPACEL.SW1 SPACER.SW SPACER.SW1 U2.12
COL-4: 5.SW@1 5.SW@2 '.SW@1 '.SW@2 G.SW G.SW1 T.SW T.SW1 TAB.SW TAB.SW1 U2.13 V.SW V.SW1
COL-5: 6.SW@1 6.SW@2 ?/.SW ?/.SW1 B.SW B.SW1 H.SW H.SW1 U2.14 Y.SW Y.SW1
COL-6: 7.SW@1 7.SW@2 J.SW J.SW1 N.SW N.SW1 SHFT.SW@1 SHFT.SW@2 U2.15 U.SW U.SW1
COL-7: 8.SW@1 8.SW@2 I.SW I.SW1 K.SW K.SW1 M.SW@1 M.SW@2 U2.16
COL-8: 9.SW@1 9.SW@2 L.SW L.SW1 LEFT.SW LEFT.SW1 O.SW O.SW1 U2.17 UP.SW UP.SW1
COL-9: 0.SW@1 0.SW@2 DWN.SW DWN.SW1 ENTER.SW ENTER.SW1 P.SW@1 P.SW@2 RIGHT.SW RIGHT.SW1 U2.18
DCLK: J1.76 X1.30
EN: J1.70 R1.1 U1.4 X1.31
FB: C1.2 R2.2 R3.1 U1.3
FEL: ESD1.C J1.8 JP1.21
GND: C2.2 C3.2 C4.2 C5.2 C6.2 C7.2 C8.2 C9.2 C10.2 C11.1 C12.1 C17.2 C18.2 C19.2 ESD1.A ESD2.A ESD3.A ESD4.A ESD5.A ESD6.A ESD7.A ESD8.A ESD9.A ESD10.A ESD11.A ESD12.A ESD13.A ESD14.A ESD15.A ESD16.A ESD17.C J1.2 J1.21 J1.22 J1.39 J1.40 J1.42 J1.43 J1.51 J1.80 J3.2 JP1.20 JP1.23 JP1.24 JP1.25 PWR.GND Q3.1 Q4.1 R1.2 R3.2 R8.1 R13.1 U1.2 U2.19 U2.25 U2.H1 U2.H2 U2.H3 U2.H4 U3.1 U4.5 U4.10 U4.12 U5.2 U5.6 X1.1 X1.3 X1.5 X1.6 X1.13 X1.14 X1.21 X1.22 X1.29 X1.36
GP1: ESD15.C J1.16 JP1.6
GP2: ESD14.C J1.15 JP1.7
GP3: ESD13.C J1.18 JP1.8
GP4: ESD12.C J1.17 JP1.9
GP5: ESD11.C J1.20 JP1.10
GP6: ESD10.C J1.19 JP1.11
HSYNC: J1.77 X1.32
I2C-SCL: ESD4.C J1.25 JP1.17 R16.1 U4.4
I2C-SDA: ESD5.C J1.26 JP1.16 R17.1 U4.6
KPD_I2C_SCL: J1.52 R4.1 U2.23 U5.11
KPD_I2C_SDA: J1.50 R5.1 U2.22 U5.9
KPD_INT: J1.24 R10.2 TP3.1 U2.24
KPD_RST: R6.1 TP4.1 U2.20
LCD_D3: J1.59 X1.24
LCD_D4: J1.60 X1.25
LCD_D5: J1.61 X1.26
LCD_D6: J1.62 X1.27
LCD_D7: J1.63 X1.28
LCD_D10: J1.64 X1.15
LCD_D11: J1.65 X1.16
LCD_D12: J1.66 X1.17
LCD_D13: J1.67 X1.18
LCD_D14: J1.68 X1.19
LCD_D15: J1.69 X1.20
LCD_D19: J1.71 X1.8
LCD_D20: J1.72 X1.9
LCD_D21: J1.73 X1.10
LCD_D22: J1.74 X1.11
LCD_D23: J1.75 X1.12
LCD_DE: J1.79 X1.34
LCD_XL: J1.54 X1.39
LCD_XR: J1.53 X1.37
LCD_YD: J1.55 X1.38
LCD_YU: J1.56 X1.40
N$48: C17.1 U4.2
N$50: LED1.GREEN U5.4
N$51: LED1.RED U5.5
N$53: R8.2 U5.10
N$61: Q2.3 X1.2
N$63: Q1.3 Q2.1
N$555: LED1.BLUE U5.3
PWM: J1.57 Q1.2 R13.2
PWR_LGT: C1.1 C3.1 C5.1 D1.C Q2.2 R2.1 TP2.1
PWR_ON: J1.49 PWR.SW PWR.SW1 R9.1
ROW-0: 0.GND 1.GND 2.GND 3.GND 4.GND 5.GND 6.GND 7.GND 8.GND 9.GND U2.8
ROW-1: E.GND E.GND@1 I.GND I.GND@1 O.GND O.GND@1 P.GND Q.GND R.GND R.GND@1 T.GND T.GND@1 U2.7 U.GND U.GND@1 W.GND W.GND@1 Y.GND Y.GND@1
ROW-2: A.GND D.GND D.GND@1 ENTER.GND F.GND F.GND@1 G.GND G.GND@1 H.GND H.GND@1 J.GND J.GND@1 K.GND K.GND@1 L.GND L.GND@1 S.GND S.GND@1 U2.6
ROW-3: B.GND B.GND@1 C.GND C.GND@1 DWN.GND M.GND N.GND N.GND@1 SHIFT.GND U2.5 UP.GND V.GND V.GND@1 X.GND X.GND@1 Z.GND Z.GND@1
ROW-4: ?/.GND ?/.GND@1 ALT.GND ALT.GND@1 ESC.GND FN.GND FN.GND@1 LEFT.GND RIGHT.GND SHFT.GND SPACEL.GND SPACEL.GND@1 SPACER.GND SPACER.GND@1 TAB.GND TAB.GND@1 U2.4
ROW-5: '.GND +.GND -.GND BKSPC.GND CTRL.GND U2.3
ROW-6: R11.1 U2.2
ROW-7: R7.1 U2.1
SA0: R18.1 U4.7
SPI-CLK: ESD9.C J1.27 JP1.12
SPI-MISO: ESD7.C J1.29 JP1.14
SPI-MOSI: ESD8.C J1.30 JP1.13
SPI-SEL: ESD6.C J1.28 JP1.15
UART_RX: ESD3.C J1.6 JP1.18
UART_TX: ESD2.C J1.4 JP1.19
VBAT_EXT: C2.1 C4.1 ESD17.A J1.47 J3.1 JP1.4 L1.P$2 TP1.1 U1.5
VCC3V3: C6.1 C9.1 C11.2 C12.2 C18.1 C19.1 J1.10 J1.46 LED1.VIN Q1.1 Q3.3 R4.2 R5.2 R6.2 R7.2 R9.2 R10.1 R11.2 R12.2 R16.2 R17.2 R18.2 U2.21 U4.1 U4.14 U5.12 U5.13 X1.4
VCC5V: C7.1 C8.1 C10.1 J1.1 J1.44 Q4.3
VREG_OUTPUT: D1.A L1.P$1 U1.1
VSYNC: J1.78 X1.33